# KiCad board frothfet-12ch.kicad_pcb
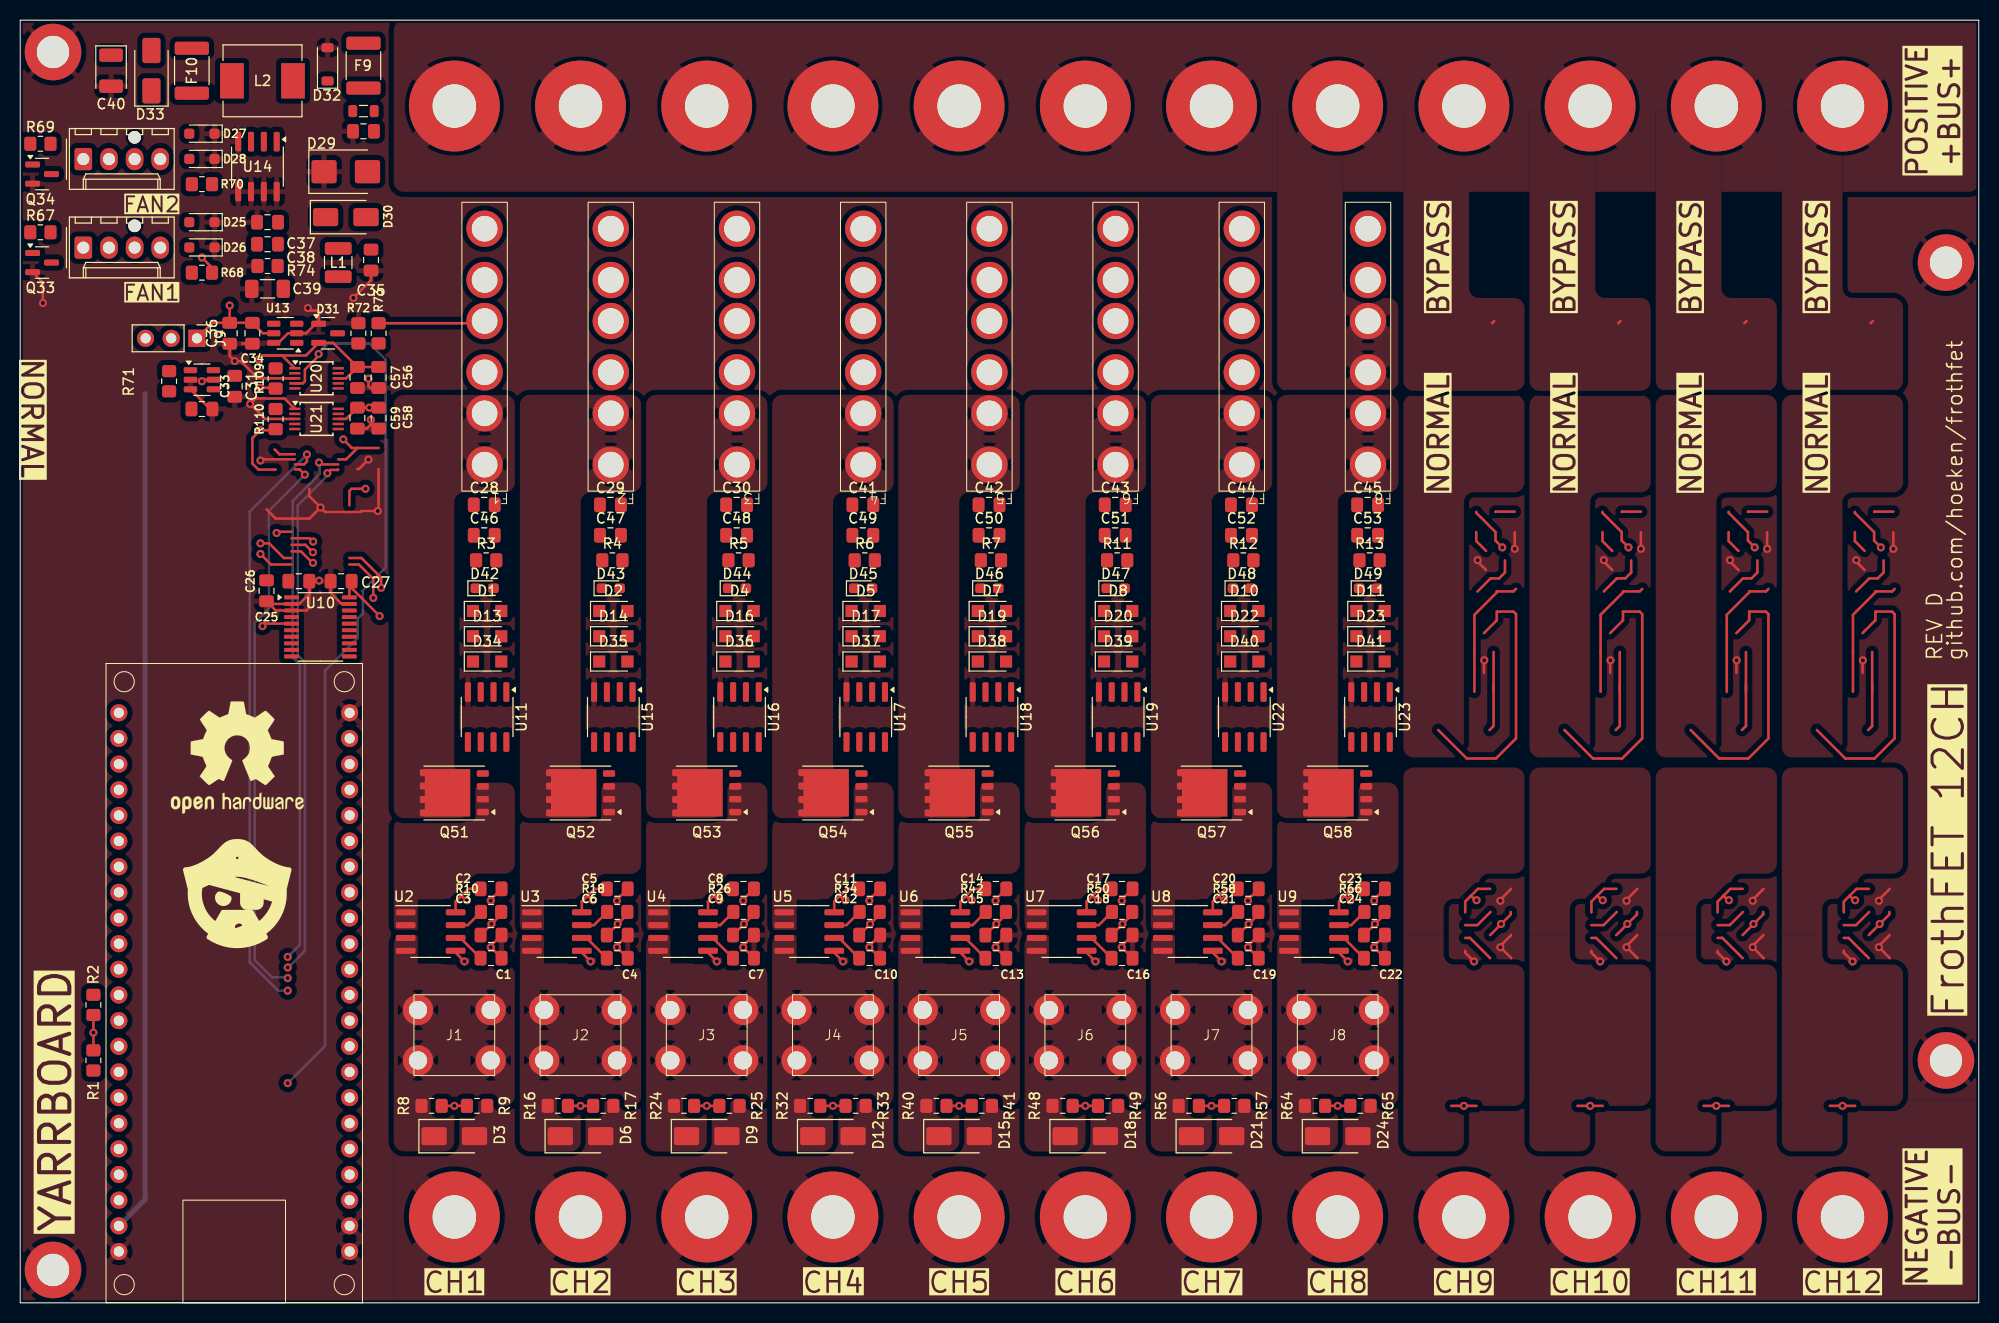
[diagram p0: board, top side]
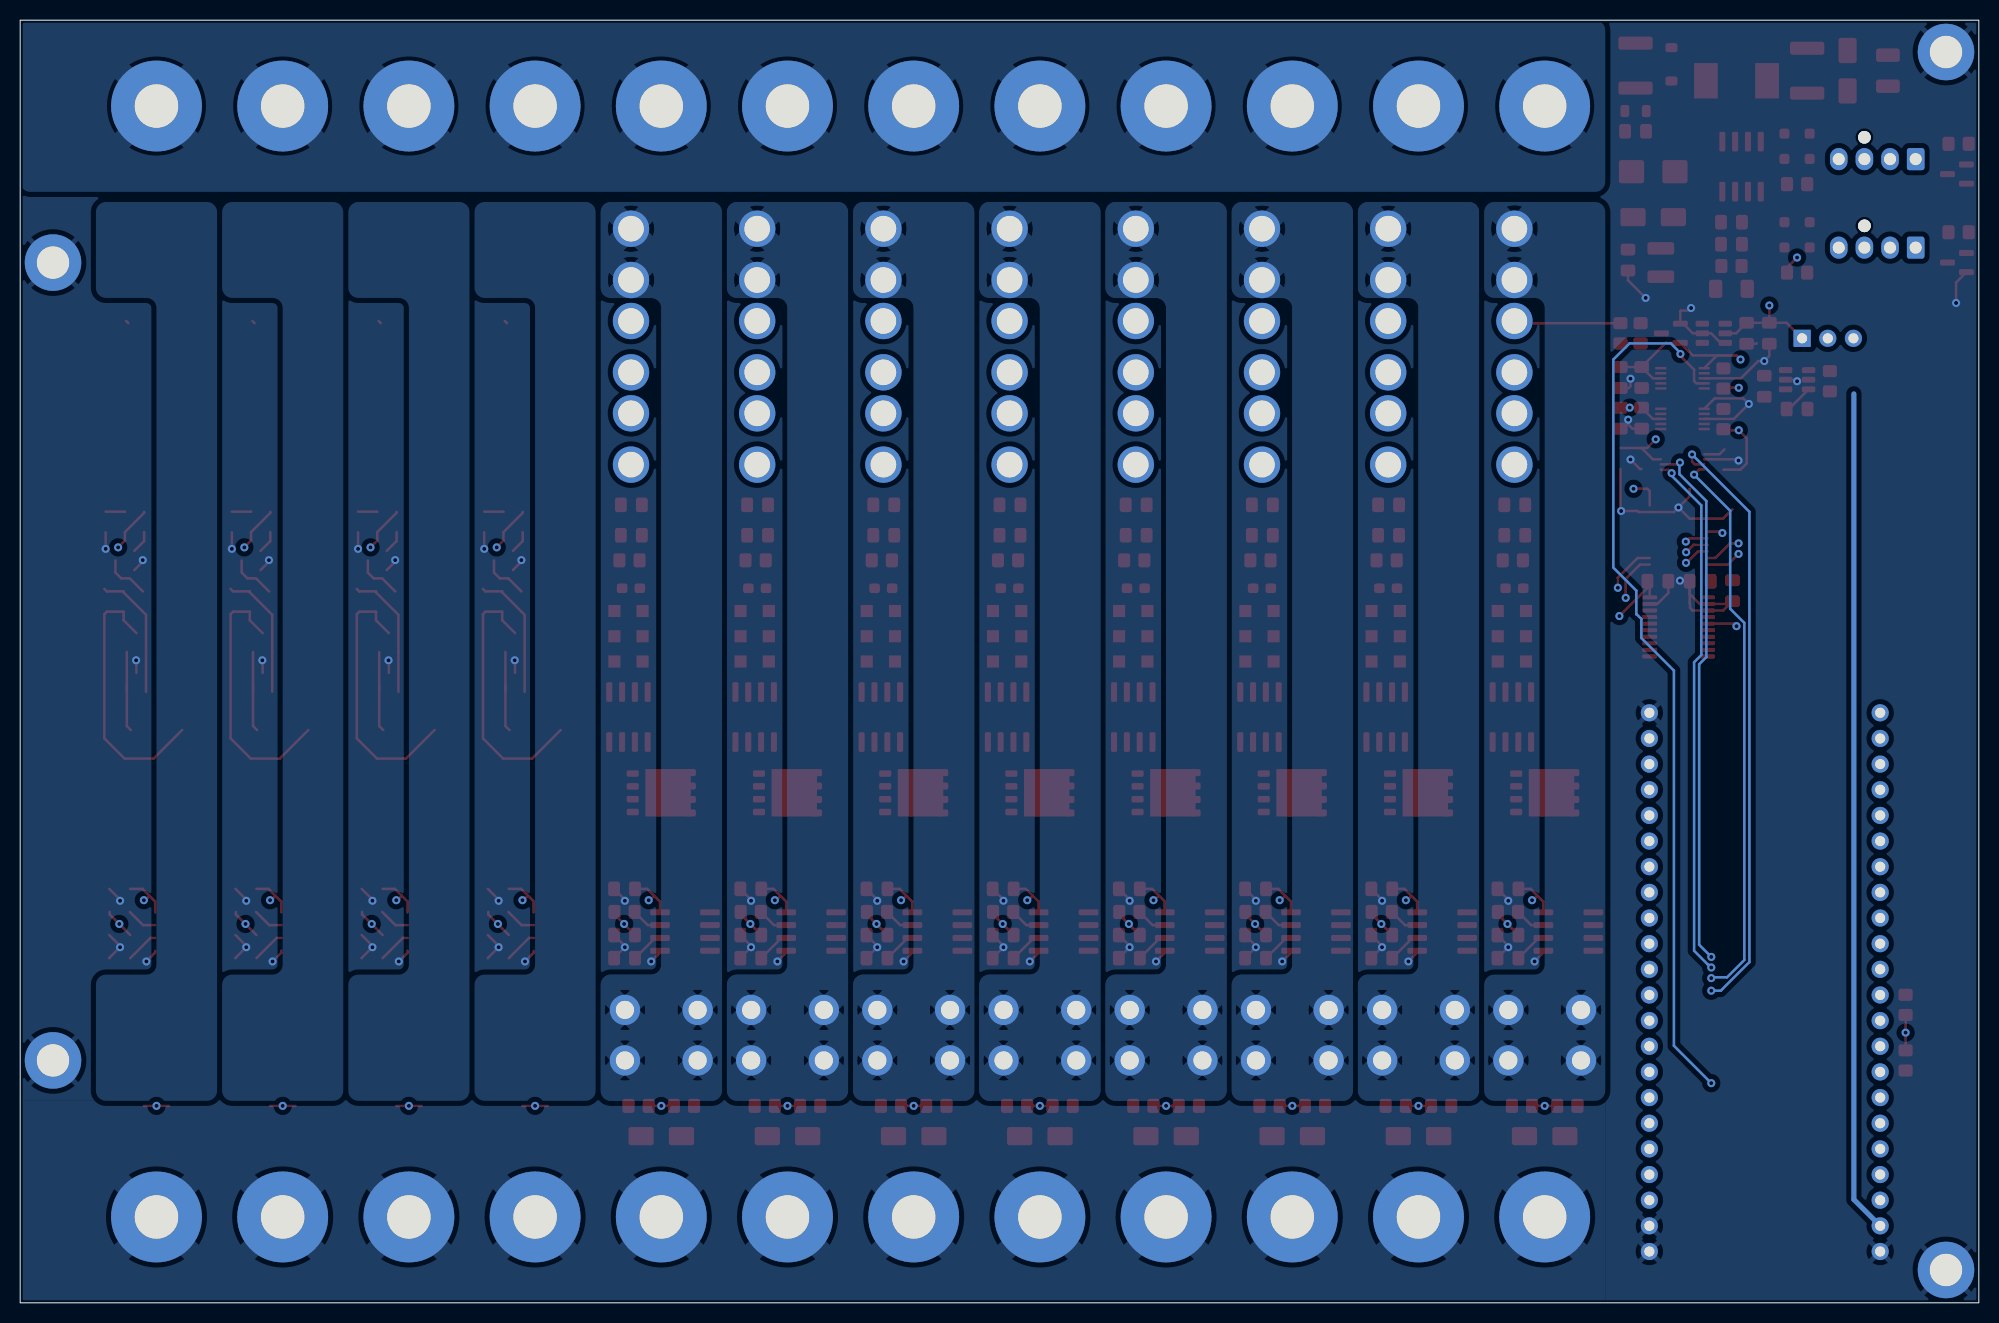
[diagram p1: board, bottom side, seen from below]

Outline 194 x 127 mm; copper layers: Top, In1.Cu, In2.Cu, Bottom. Coordinates in mm from the lower left corner of the outline.
Outline path: 0,127 194,127 194,0 0,0 0,127
Stack: Top 0.07mm / dielectric 0.1mm FR4 er 4.5 / In1.Cu 0.035mm / dielectric 1.24mm FR4 er 4.5 / In2.Cu 0.035mm / dielectric 0.1mm FR4 er 4.5 / Bottom 0.07mm

## Placement (name value [footprint] x y rotation side)
C1  1nF  [C_0805_2012Metric_Pad1.18x1.45mm_HandSolder]  46.64 34.13 0 top
C2  100nF  [C_0805_2012Metric_Pad1.18x1.45mm_HandSolder]  46.64 40.99 0 top
C3  4.7nF  [C_0805_2012Metric_Pad1.18x1.45mm_HandSolder]  46.64 36.41 0 top
C4  1nF  [C_0805_2012Metric_Pad1.18x1.45mm_HandSolder]  59.14 34.13 0 top
C5  100nF  [C_0805_2012Metric_Pad1.18x1.45mm_HandSolder]  59.14 40.99 0 top
C6  4.7nF  [C_0805_2012Metric_Pad1.18x1.45mm_HandSolder]  59.14 36.41 0 top
C7  1nF  [C_0805_2012Metric_Pad1.18x1.45mm_HandSolder]  71.64 34.13 0 top
C8  100nF  [C_0805_2012Metric_Pad1.18x1.45mm_HandSolder]  71.64 40.99 0 top
C9  4.7nF  [C_0805_2012Metric_Pad1.18x1.45mm_HandSolder]  71.64 36.41 0 top
C10  1nF  [C_0805_2012Metric_Pad1.18x1.45mm_HandSolder]  84.14 34.13 0 top
C11  100nF  [C_0805_2012Metric_Pad1.18x1.45mm_HandSolder]  84.14 40.99 0 top
C12  4.7nF  [C_0805_2012Metric_Pad1.18x1.45mm_HandSolder]  84.14 36.41 0 top
C13  1nF  [C_0805_2012Metric_Pad1.18x1.45mm_HandSolder]  96.64 34.13 0 top
C14  100nF  [C_0805_2012Metric_Pad1.18x1.45mm_HandSolder]  96.64 40.99 0 top
C15  4.7nF  [C_0805_2012Metric_Pad1.18x1.45mm_HandSolder]  96.64 36.41 0 top
C16  1nF  [C_0805_2012Metric_Pad1.18x1.45mm_HandSolder]  109.14 34.13 0 top
C17  100nF  [C_0805_2012Metric_Pad1.18x1.45mm_HandSolder]  109.14 40.99 0 top
C18  4.7nF  [C_0805_2012Metric_Pad1.18x1.45mm_HandSolder]  109.14 36.41 0 top
C19  1nF  [C_0805_2012Metric_Pad1.18x1.45mm_HandSolder]  121.64 34.13 0 top
C20  100nF  [C_0805_2012Metric_Pad1.18x1.45mm_HandSolder]  121.64 40.99 0 top
C21  4.7nF  [C_0805_2012Metric_Pad1.18x1.45mm_HandSolder]  121.64 36.41 0 top
C22  1nF  [C_0805_2012Metric_Pad1.18x1.45mm_HandSolder]  134.14 34.13 0 top
C23  100nF  [C_0805_2012Metric_Pad1.18x1.45mm_HandSolder]  134.14 40.99 0 top
C24  4.7nF  [C_0805_2012Metric_Pad1.18x1.45mm_HandSolder]  134.14 36.41 0 top
C25  10uF  [C_0805_2012Metric_Pad1.18x1.45mm_HandSolder]  24.4 70.5 270 top
C26  100nF  [C_0805_2012Metric_Pad1.18x1.45mm_HandSolder]  27.6 71.45 0 top
C27  100nF  [C_0805_2012Metric_Pad1.18x1.45mm_HandSolder]  31.79 71.45 180 top
C28  100nF  [C_0805_2012Metric_Pad1.18x1.45mm_HandSolder]  45.96 79.01 0 top
C29  100nF  [C_0805_2012Metric_Pad1.18x1.45mm_HandSolder]  58.46 79.01 0 top
C30  100nF  [C_0805_2012Metric_Pad1.18x1.45mm_HandSolder]  70.96 79.01 0 top
C31  100nF  [C_0805_2012Metric_Pad1.18x1.45mm_HandSolder]  21.25 90.75 270 top
C32  10nF  [C_0805_2012Metric_Pad1.18x1.45mm_HandSolder]  34 116 180 top
C33  100nF  [C_0805_2012Metric_Pad1.18x1.45mm_HandSolder]  18 88.5 0 top
C34  10uF  [C_0805_2012Metric_Pad1.18x1.45mm_HandSolder]  23 96 270 top
C35  470nF/50v  [C_0805_2012Metric_Pad1.18x1.45mm_HandSolder]  34.75 103.25 270 top
C36  100nF  [C_0805_2012Metric_Pad1.18x1.45mm_HandSolder]  20.75 96 270 top
C37  100nF  [C_0805_2012Metric_Pad1.18x1.45mm_HandSolder]  24.5 107 180 top
C38  4.7uF/50v  [C_0805_2012Metric_Pad1.18x1.45mm_HandSolder]  24.5 104.82 180 top
C39  10uF/35v  [C_1206_3216Metric_Pad1.33x1.80mm_HandSolder]  24.5 100.4 180 top
C40  100uF / 10v  [CP_EIA-3528-21_Kemet-B]  9 122 270 top
C41  100nF  [C_0805_2012Metric_Pad1.18x1.45mm_HandSolder]  83.46 79.01 0 top
C42  100nF  [C_0805_2012Metric_Pad1.18x1.45mm_HandSolder]  95.96 79.01 0 top
C43  100nF  [C_0805_2012Metric_Pad1.18x1.45mm_HandSolder]  108.46 79.01 0 top
C44  100nF  [C_0805_2012Metric_Pad1.18x1.45mm_HandSolder]  120.96 79.01 0 top
C45  100nF  [C_0805_2012Metric_Pad1.18x1.45mm_HandSolder]  133.46 79.01 0 top
C46  1uF/50v  [C_0805_2012Metric_Pad1.18x1.45mm_HandSolder]  45.96 76 0 top
C47  1uF/50v  [C_0805_2012Metric_Pad1.18x1.45mm_HandSolder]  58.46 76 0 top
C48  1uF/50v  [C_0805_2012Metric_Pad1.18x1.45mm_HandSolder]  70.96 76 0 top
C49  1uF/50v  [C_0805_2012Metric_Pad1.18x1.45mm_HandSolder]  83.46 76 0 top
C50  1uF/50v  [C_0805_2012Metric_Pad1.18x1.45mm_HandSolder]  95.96 76 0 top
C51  1uF/50v  [C_0805_2012Metric_Pad1.18x1.45mm_HandSolder]  108.46 76 0 top
C52  1uF/50v  [C_0805_2012Metric_Pad1.18x1.45mm_HandSolder]  120.96 76 0 top
C53  1uF/50v  [C_0805_2012Metric_Pad1.18x1.45mm_HandSolder]  133.46 76 0 top
C56  100nF  [C_0805_2012Metric_Pad1.18x1.45mm_HandSolder]  35.5 91.62 270 top
C57  10uF  [C_0805_2012Metric_Pad1.18x1.45mm_HandSolder]  33.4 91.62 270 top
C58  100nF  [C_0805_2012Metric_Pad1.18x1.45mm_HandSolder]  35.5 87.6 270 top
C59  10uF  [C_0805_2012Metric_Pad1.18x1.45mm_HandSolder]  33.4 87.6 270 top
D1  1N5817  [Nexperia_CFP3_SOD-123W]  46.25 68.5 0 top
D2  1N5817  [Nexperia_CFP3_SOD-123W]  58.75 68.5 0 top
D3  SS16  [D_SMA]  43 16.5 0 top
D4  1N5817  [Nexperia_CFP3_SOD-123W]  71.25 68.5 0 top
D5  1N5817  [Nexperia_CFP3_SOD-123W]  83.75 68.5 0 top
D6  SS16  [D_SMA]  55.5 16.5 0 top
D7  1N5817  [Nexperia_CFP3_SOD-123W]  96.25 68.5 0 top
D8  1N5817  [Nexperia_CFP3_SOD-123W]  108.75 68.5 0 top
D9  SS16  [D_SMA]  68 16.5 0 top
D10  1N5817  [Nexperia_CFP3_SOD-123W]  121.25 68.5 0 top
D11  1N5817  [Nexperia_CFP3_SOD-123W]  133.75 68.5 0 top
D12  SS16  [D_SMA]  80.5 16.5 0 top
D13  1N4001  [Nexperia_CFP3_SOD-123W]  46.25 66 0 top
D14  1N4001  [Nexperia_CFP3_SOD-123W]  58.75 66 0 top
D15  SS16  [D_SMA]  93 16.5 0 top
D16  1N4001  [Nexperia_CFP3_SOD-123W]  71.25 66 0 top
D17  1N4001  [Nexperia_CFP3_SOD-123W]  83.75 66 0 top
D18  SS16  [D_SMA]  105.5 16.5 0 top
D19  1N4001  [Nexperia_CFP3_SOD-123W]  96.25 66 0 top
D20  1N4001  [Nexperia_CFP3_SOD-123W]  108.75 66 0 top
D21  SS16  [D_SMA]  118 16.5 0 top
D22  1N4001  [Nexperia_CFP3_SOD-123W]  121.25 66 0 top
D23  1N4001  [Nexperia_CFP3_SOD-123W]  133.75 66 0 top
D24  SS16  [D_SMA]  130.5 16.5 0 top
D25  PESD3V3L1BA  [D_SOD-323_HandSoldering]  18 107 180 top
D26  PESD3V3L1BA  [D_SOD-323_HandSoldering]  18 104.5 180 top
D27  PESD3V3L1BA  [D_SOD-323_HandSoldering]  18 115.76 180 top
D28  PESD3V3L1BA  [D_SOD-323_HandSoldering]  18 113.26 180 top
D29  SMBJ30CA  [D_SMB]  32.25 112 0 top
D30  SS34  [D_SMA]  32.25 107.5 0 top
D31  BAT54S  [SOT-23]  30.5 96 0 top
D32  DSK24  [D_SOD-123]  30.44 122.63 90 top
D33  SS34  [D_SMA]  13 122 90 top
D34  1N4001  [Nexperia_CFP3_SOD-123W]  46.25 63.5 0 top
D35  1N4001  [Nexperia_CFP3_SOD-123W]  58.75 63.5 0 top
D36  1N4001  [Nexperia_CFP3_SOD-123W]  71.25 63.5 0 top
D37  1N4001  [Nexperia_CFP3_SOD-123W]  83.75 63.5 0 top
D38  1N4001  [Nexperia_CFP3_SOD-123W]  96.25 63.5 0 top
D39  1N4001  [Nexperia_CFP3_SOD-123W]  108.75 63.5 0 top
D40  1N4001  [Nexperia_CFP3_SOD-123W]  121.25 63.5 0 top
D41  1N4001  [Nexperia_CFP3_SOD-123W]  133.75 63.5 0 top
D42  LED  [LED_0603_1608Metric_Pad1.05x0.95mm_HandSolder]  46 70.75 0 top
D43  LED  [LED_0603_1608Metric_Pad1.05x0.95mm_HandSolder]  58.5 70.75 0 top
D44  LED  [LED_0603_1608Metric_Pad1.05x0.95mm_HandSolder]  71 70.75 0 top
D45  LED  [LED_0603_1608Metric_Pad1.05x0.95mm_HandSolder]  83.5 70.75 0 top
D46  LED  [LED_0603_1608Metric_Pad1.05x0.95mm_HandSolder]  96 70.75 0 top
D47  LED  [LED_0603_1608Metric_Pad1.05x0.95mm_HandSolder]  108.5 70.75 0 top
D48  LED  [LED_0603_1608Metric_Pad1.05x0.95mm_HandSolder]  121 70.75 0 top
D49  LED  [LED_0603_1608Metric_Pad1.05x0.95mm_HandSolder]  133.5 70.75 0 top
F1  ATC Fuse Bypass  [ATC Bypass Fuse]  46 94.67 90 top
F2  ATC Fuse Bypass  [ATC Bypass Fuse]  58.5 94.67 90 top
F3  ATC Fuse Bypass  [ATC Bypass Fuse]  71 94.67 90 top
F4  ATC Fuse Bypass  [ATC Bypass Fuse]  83.5 94.67 90 top
F5  ATC Fuse Bypass  [ATC Bypass Fuse]  96 94.67 90 top
F6  ATC Fuse Bypass  [ATC Bypass Fuse]  108.5 94.67 90 top
F7  ATC Fuse Bypass  [ATC Bypass Fuse]  121 94.67 90 top
F8  ATC Fuse Bypass  [ATC Bypass Fuse]  133.5 94.67 90 top
F9  mSMD050-60V  [Fuse_1812_4532Metric_Pad1.30x3.40mm_HandSolder]  34 122.5 90 top
F10  mSMD110  [Fuse_1812_4532Metric_Pad1.30x3.40mm_HandSolder]  17 122 90 top
FAN1  Fan_4pin  [Molex 0470531000]  6.25 104.48 0 top
FAN2  Fan_4pin  [Molex 0470531000]  6.25 113.24 0 top
FB1  GZ2012D601TF  [L_0805_2012Metric]  34 118 0 top
H1  MountingHole  [MountingHole_3.2mm_M3_DIN965_Pad]  3.25 3.25 0 top
H2  MountingHole  [MountingHole_3.2mm_M3_DIN965_Pad]  3.25 123.85 0 top
H3  MountingHole  [MountingHole_3.2mm_M3_DIN965_Pad]  190.75 103 0 top
H4  MountingHole  [MountingHole_3.2mm_M3_DIN965_Pad]  190.75 24 0 top
J1  Conn_01x01  [T44001]  43 26.5 90 top
J2  Conn_01x01  [T44001]  55.5 26.5 90 top
J3  Conn_01x01  [T44001]  68 26.5 90 top
J4  Conn_01x01  [T44001]  80.5 26.5 90 top
J5  Conn_01x01  [T44001]  93 26.5 90 top
J6  Conn_01x01  [T44001]  105.5 26.5 90 top
J7  Conn_01x01  [T44001]  118 26.5 90 top
J8  Conn_01x01  [T44001]  130.5 26.5 90 top
J9  Conn_01x03_Pin  [PinHeader_1x03_P2.54mm_Vertical]  17.5 95.5 270 top
J10  Screw_Terminal_01x12  [Busbar Rev D]  43 118.5 0 bottom
J11  Screw_Terminal_01x12  [Busbar Rev D]  43 8.5 0 bottom
L1  CBC3225T100KR  [L_1210_3225Metric]  31.5 103 270 top
L2  SMMS0650-680M  [L_Chilisin_BMRB00060650]  24 121 180 top
LOGO1  Logo_Open_Hardware_Small  [OSHW-Logo2_14.6x12mm_SilkScreen]  21.5 54 0 top
Q33  2N7002  [SOT-23]  2.16 103 0 top
Q34  2N7002  [SOT-23]  2.16 111.76 0 top
Q51  ISC011N06LM5ATMA1  [Infineon_PG-TDSON-8_6.15x5.15mm]  43 50.5 180 top
Q52  ISC011N06LM5ATMA1  [Infineon_PG-TDSON-8_6.15x5.15mm]  55.5 50.5 180 top
Q53  ISC011N06LM5ATMA1  [Infineon_PG-TDSON-8_6.15x5.15mm]  68 50.5 180 top
Q54  ISC011N06LM5ATMA1  [Infineon_PG-TDSON-8_6.15x5.15mm]  80.5 50.5 180 top
Q55  ISC011N06LM5ATMA1  [Infineon_PG-TDSON-8_6.15x5.15mm]  93 50.5 180 top
Q56  ISC011N06LM5ATMA1  [Infineon_PG-TDSON-8_6.15x5.15mm]  105.5 50.5 180 top
Q57  ISC011N06LM5ATMA1  [Infineon_PG-TDSON-8_6.15x5.15mm]  118 50.5 180 top
Q58  ISC011N06LM5ATMA1  [Infineon_PG-TDSON-8_6.15x5.15mm]  130.5 50.5 180 top
R1  2.2k  [R_0805_2012Metric_Pad1.20x1.40mm_HandSolder]  7.25 24 90 top
R2  2.2k  [R_0805_2012Metric_Pad1.20x1.40mm_HandSolder]  7.25 29.5 270 top
R3  1k  [R_0805_2012Metric_Pad1.20x1.40mm_HandSolder]  46.16 73.52 0 top
R4  1k  [R_0805_2012Metric_Pad1.20x1.40mm_HandSolder]  58.66 73.52 0 top
R5  1k  [R_0805_2012Metric_Pad1.20x1.40mm_HandSolder]  71.16 73.52 0 top
R6  1k  [R_0805_2012Metric_Pad1.20x1.40mm_HandSolder]  83.66 73.52 0 top
R7  1k  [R_0805_2012Metric_Pad1.20x1.40mm_HandSolder]  96.16 73.52 0 top
R8  300K 0.1%  [R_0805_2012Metric_Pad1.20x1.40mm_HandSolder]  40.75 19.5 180 top
R9  22K 0.1%  [R_0805_2012Metric_Pad1.20x1.40mm_HandSolder]  45.25 19.5 180 top
R10  1k  [R_0805_2012Metric_Pad1.20x1.40mm_HandSolder]  46.64 38.7 180 top
R11  1k  [R_0805_2012Metric_Pad1.20x1.40mm_HandSolder]  108.66 73.52 0 top
R12  1k  [R_0805_2012Metric_Pad1.20x1.40mm_HandSolder]  121.16 73.52 0 top
R13  1k  [R_0805_2012Metric_Pad1.20x1.40mm_HandSolder]  133.66 73.52 0 top
R16  300K 0.1%  [R_0805_2012Metric_Pad1.20x1.40mm_HandSolder]  53.25 19.5 180 top
R17  22K 0.1%  [R_0805_2012Metric_Pad1.20x1.40mm_HandSolder]  57.75 19.5 180 top
R18  1k  [R_0805_2012Metric_Pad1.20x1.40mm_HandSolder]  59.14 38.7 180 top
R24  300K 0.1%  [R_0805_2012Metric_Pad1.20x1.40mm_HandSolder]  65.75 19.5 180 top
R25  22K 0.1%  [R_0805_2012Metric_Pad1.20x1.40mm_HandSolder]  70.25 19.5 180 top
R26  1k  [R_0805_2012Metric_Pad1.20x1.40mm_HandSolder]  71.64 38.7 180 top
R32  300K 0.1%  [R_0805_2012Metric_Pad1.20x1.40mm_HandSolder]  78.25 19.5 180 top
R33  22K 0.1%  [R_0805_2012Metric_Pad1.20x1.40mm_HandSolder]  82.75 19.5 180 top
R34  1k  [R_0805_2012Metric_Pad1.20x1.40mm_HandSolder]  84.14 38.7 180 top
R40  300K 0.1%  [R_0805_2012Metric_Pad1.20x1.40mm_HandSolder]  90.75 19.5 180 top
R41  22K 0.1%  [R_0805_2012Metric_Pad1.20x1.40mm_HandSolder]  95.25 19.5 180 top
R42  1k  [R_0805_2012Metric_Pad1.20x1.40mm_HandSolder]  96.64 38.7 180 top
R48  300K 0.1%  [R_0805_2012Metric_Pad1.20x1.40mm_HandSolder]  103.25 19.5 180 top
R49  22K 0.1%  [R_0805_2012Metric_Pad1.20x1.40mm_HandSolder]  107.75 19.5 180 top
R50  1k  [R_0805_2012Metric_Pad1.20x1.40mm_HandSolder]  109.14 38.7 180 top
R56  300K 0.1%  [R_0805_2012Metric_Pad1.20x1.40mm_HandSolder]  115.75 19.5 180 top
R57  22K 0.1%  [R_0805_2012Metric_Pad1.20x1.40mm_HandSolder]  120.25 19.5 180 top
R58  1k  [R_0805_2012Metric_Pad1.20x1.40mm_HandSolder]  121.64 38.7 180 top
R64  300K 0.1%  [R_0805_2012Metric_Pad1.20x1.40mm_HandSolder]  128.25 19.5 180 top
R65  22K 0.1%  [R_0805_2012Metric_Pad1.20x1.40mm_HandSolder]  132.75 19.5 180 top
R66  1k  [R_0805_2012Metric_Pad1.20x1.40mm_HandSolder]  134.14 38.7 180 top
R67  1k  [R_0805_2012Metric_Pad1.20x1.40mm_HandSolder]  2 106 0 top
R68  1k  [R_0805_2012Metric_Pad1.20x1.40mm_HandSolder]  18 102 0 top
R69  1k  [R_0805_2012Metric_Pad1.20x1.40mm_HandSolder]  2 114.76 0 top
R70  1k  [R_0805_2012Metric_Pad1.20x1.40mm_HandSolder]  18 110.76 0 top
R71  10k  [R_0805_2012Metric_Pad1.20x1.40mm_HandSolder]  14.75 91.25 90 top
R72  300K 0.1%  [R_0805_2012Metric_Pad1.20x1.40mm_HandSolder]  35.5 96 90 top
R73  22K 0.1%  [R_0805_2012Metric_Pad1.20x1.40mm_HandSolder]  33.5 96 270 top
R74  4.7R  [R_0805_2012Metric_Pad1.20x1.40mm_HandSolder]  24.5 102.66 180 top
R109  10k  [R_0805_2012Metric_Pad1.20x1.40mm_HandSolder]  25.3 91.52 270 top
R110  10k  [R_0805_2012Metric_Pad1.20x1.40mm_HandSolder]  25.3 87.5 270 top
REF**  -  [Logo Small]  21.5 40.5 0 top
U1  ~  [Waveshare-ESP32-S3-dev-kit]  8.5 0 0 top
U2  ACS725xLCTR-20AU  [ACS7XX]  40.65 36.76 0 top
U3  ACS725xLCTR-20AU  [ACS7XX]  53.15 36.76 0 top
U4  ACS725xLCTR-20AU  [ACS7XX]  65.65 36.76 0 top
U5  ACS725xLCTR-20AU  [ACS7XX]  78.15 36.76 0 top
U6  ACS725xLCTR-20AU  [ACS7XX]  90.65 36.76 0 top
U7  ACS725xLCTR-20AU  [ACS7XX]  103.15 36.76 0 top
U8  ACS725xLCTR-20AU  [ACS7XX]  115.65 36.76 0 top
U9  ACS725xLCTR-20AU  [ACS7XX]  128.15 36.76 0 top
U10  MCP3564R  [TSSOP-20_4.4x6.5mm_P0.65mm]  29.74 66.92 0 top
U11  MIC5014YM-TR  [SOIC-8_3.9x4.9mm_P1.27mm]  46.25 58 270 top
U12  MCP1502-33  [SOT-23-6]  18 91.4 0 top
U13  MCP3425A0T-ECH  [SOT-23-6]  26.25 96 180 top
U14  XL1509-5.0  [SOIC-8_3.9x4.9mm_P1.27mm]  23.5 112.5 270 top
U15  MIC5014YM-TR  [SOIC-8_3.9x4.9mm_P1.27mm]  58.75 58 270 top
U16  MIC5014YM-TR  [SOIC-8_3.9x4.9mm_P1.27mm]  71.25 58 270 top
U17  MIC5014YM-TR  [SOIC-8_3.9x4.9mm_P1.27mm]  83.75 58 270 top
U18  MIC5014YM-TR  [SOIC-8_3.9x4.9mm_P1.27mm]  96.25 58 270 top
U19  MIC5014YM-TR  [SOIC-8_3.9x4.9mm_P1.27mm]  108.75 58 270 top
U20  ADS1015IDGS  [TSSOP-10_3x3mm_P0.5mm]  29.35 91.54 0 top
U21  ADS1015IDGS  [TSSOP-10_3x3mm_P0.5mm]  29.35 87.52 0 top
U22  MIC5014YM-TR  [SOIC-8_3.9x4.9mm_P1.27mm]  121.25 58 270 top
U23  MIC5014YM-TR  [SOIC-8_3.9x4.9mm_P1.27mm]  133.75 58 270 top

## Library data of the parts
C1 C4 C7 C10 C13 C16 C19 C22 = -: LCSC: C94121; Mouser: C0805C102J1HACTU; ki_fp_filters: C_*
C2 C5 C8 C11 C14 C17 C20 C23 C26-C31 C33 C36 C37 C41-C45 C56 C58 = -: LCSC: C49678; ki_fp_filters: C_*
C3 C6 C9 C12 C15 C18 C21 C24 = -: LCSC: C107153; Mouser: C0805C472K5RAC; ki_fp_filters: C_*
C25 C34 C57 C59 = -: LCSC: C1952580; ki_fp_filters: C_*
C32 = -: LCSC: C83170; ki_fp_filters: C_*
C35 = -: LCSC: C106843; ki_fp_filters: C_*
C38 = -: LCSC: C2991173; ki_fp_filters: C_*
C39 = -: LCSC: C454102; ki_fp_filters: C_*
C40 = -: LCSC: C90975; ki_fp_filters: CP_*
C46-C53 = -: LCSC: C215803; ki_fp_filters: C_*
D1 D2 D4 D5 D7 D8 D10 D11 = -: Datasheet: http://www.vishay.com/docs/88525/1n5817.pdf; Description: 20V 1A Schottky Barrier Rectifier Diode, DO-41; LCSC: C727113; ki_fp_filters: D*DO?41*
D3 D6 D9 D12 D15 D18 D21 D24 = -: Mouser: 625-SS16-E3; Sim.Device: D; Sim.Pins: 1=K 2=A; LCSC: C511401; ki_fp_filters: D*SMA*
D13 D14 D16 D17 D19 D20 D22 D23 D34-D41 = -: Datasheet: http://www.vishay.com/docs/88503/1n4001.pdf; Description: 50V 1A General Purpose Rectifier Diode, DO-41; Sim.Device: D; Sim.Pins: 1=K 2=A; LCSC: C2892326; ki_fp_filters: D*DO?41*
D25-D28 = -: LCSC: C316020; ki_fp_filters: TO-???* *_Diode_* *SingleDiode* D_*
D29 = -: LCSC: C284101; ki_fp_filters: TO-???* *_Diode_* *SingleDiode* D_*
D30 D33 = -: Mouser: 512-SS34; LCSC: C8678; ki_fp_filters: TO-???* *_Diode_* *SingleDiode* D_*
D31 = -: Datasheet: https://www.diodes.com/assets/Datasheets/ds11005.pdf; LCSC: C727126; ki_fp_filters: SOT?23*
D32 = -: LCSC: C908229; Mouser: 610-CMHSH5-2L; ki_fp_filters: TO-???* *_Diode_* *SingleDiode* D_*
D42-D49 = -: Description: Light emitting diode; ki_fp_filters: LED* LED_SMD:* LED_THT:*
F1-F8 = -: Description: Fuse; Mouser: 534-3522-3; ki_fp_filters: *Fuse*
F9 = -: LCSC: C70113; ki_fp_filters: *polyfuse* *PTC*
F10 = -: LCSC: C69691; ki_fp_filters: *polyfuse* *PTC*
FAN1 FAN2 = -: Datasheet: http://www.formfactors.org/developer%5Cspecs%5Crev1_2_public.pdf; LCSC: C3025061; Mouser: 538-47053-1000; ki_fp_filters: FanPinHeader*P2.54mm*Vertical* PinHeader*P2.54mm*Vertical* TerminalBlock*
FB1 = -: LCSC: C1017; ki_fp_filters: Inductor_* L_* *Ferrite*
H1-H4 = -: ki_fp_filters: MountingHole*Pad*
J1-J8 = -: Description: Generic connector, single row, 01x01, script generated (kicad-library-utils/schlib/autogen/connector/); LCSC: C481447; ki_fp_filters: Connector*:*_1x??_*
J9 = -: Description: Generic connector, single row, 01x03, script generated; ki_fp_filters: Connector*:*_1x??_*
J10 J11 = -: Description: Generic screw terminal, single row, 01x12, script generated (kicad-library-utils/schlib/autogen/connector/); ki_fp_filters: TerminalBlock*:*
L1 = -: LCSC: C90321; ki_fp_filters: Choke_* *Coil* Inductor_* L_*
L2 = -: LCSC: C2894721; ki_fp_filters: Choke_* *Coil* Inductor_* L_*
LOGO1 = -: Description: Open Hardware logo, small; Sim.Enable: 0
Q33 Q34 = -: Datasheet: https://www.onsemi.com/pub/Collateral/NDS7002A-D.PDF; Description: 0.115A Id, 60V Vds, N-Channel MOSFET, SOT-23; ki_fp_filters: SOT?23*
Q51-Q58 = -: Datasheet: https://www.lcsc.com/datasheet/lcsc_datasheet_2404031230_Infineon-Technologies-ISC011N06LM5ATMA1_C3288866.pdf; Description: 60V 1.15mΩ@50A,10V 2.3V@116uA 1 N-Channel TDSON-8 MOSFETs ROHS; ki_fp_filters: DirectFET*ME*
R1 R2 = -: LCSC: C114561; ki_fp_filters: R_*
R3-R7 R10-R13 R18 R26 R34 R42 R50 R58 R66-R70 = -: LCSC: C95781; ki_fp_filters: R_*
R8 R16 R24 R32 R40 R48 R56 R64 R72 = -: LCSC: C865386; ki_fp_filters: R_*
R9 R17 R25 R33 R41 R49 R57 R65 R73 = -: LCSC: C865312; ki_fp_filters: R_*
R71 R109 R110 = -: LCSC: C84376; ki_fp_filters: R_*
R74 = -: LCSC: C137513; ki_fp_filters: R_*
U1 = -: Vendor: 356-ESP32-DEVKITC32E
U2-U9 = -: Datasheet: http://www.allegromicro.com/~/media/Files/Datasheets/ACS725-Datasheet.ashx?la=en; Mouser: 250-725LLCTR20AUT; ki_fp_filters: SOIC*3.9x4.9m*P1.27mm*
U10 = -: Datasheet: https://ww1.microchip.com/downloads/aemDocuments/documents/APID/ProductDocuments/DataSheets/MCP3561_2_4R-Data-Sheet-DS200006391C.pdf; Description: Two/Four/Eight-Channel, 153.6 ksps, Low Noise24-Bit Delta-Sigma ADCs with Internal Voltage Reference; Mouser: 579-MCP3564R-E/ST; ki_fp_filters: DIP*W7.62mm* SOIC*3.9x9.9mm*P1.27mm*
U11 U15-U19 U22 U23 = -: Datasheet: http://ww1.microchip.com/downloads/en/DeviceDoc/mic5014.pdf; ki_fp_filters: SOIC-8_M_MCH SOIC-8_M_MCH-M SOIC-8_M_MCH-L
U12 = -: Datasheet: http://ww1.microchip.com/downloads/en/DeviceDoc/20005474E.pdf; Mouser: 579-MCP1502T-33E/CHY; ki_fp_filters: SOT?23*
U13 = -: Datasheet: http://ww1.microchip.com/downloads/en/DeviceDoc/22072b.pdf; Mouser: 579-MCP3425A0T-E/CH; ki_fp_filters: SOT?23* SOT?23*
U14 = -: Datasheet: https://datasheet.lcsc.com/lcsc/1809050422_XLSEMI-XL1509-5-0E1_C61063.pdf; LCSC: C2902368; ki_fp_filters: SOIC*3.9x4.9mm*P1.27mm*
U20 U21 = -: Datasheet: http://www.ti.com/lit/ds/symlink/ads1015.pdf; Description: Ultra-Small, Low-Power, I2C-Compatible, 3.3-kSPS, 12-Bit ADCs With Internal Reference, Oscillator, and Programmable Comparator, VSSOP-10; LCSC: C193969; Mouser: 595-ADS1015IDGSR; ki_fp_filters: TSSOP*3x3mm*P0.5mm*

## Footprints (pads in the part's own frame, mm; a bottom-side part is the same pattern mirrored in y, then rotated)
ACS7XX
  rrect 1.95x0.6 smd: 1(-2.475,1.905) 2(-2.475,0.635) 3(-2.475,-0.635) 4(-2.475,-1.905) 5(2.475,-1.905) 6(2.475,-0.635) 7(2.475,0.635) 8(2.475,1.905)